# KiCad board vootington gaming.kicad_pcb (continued)
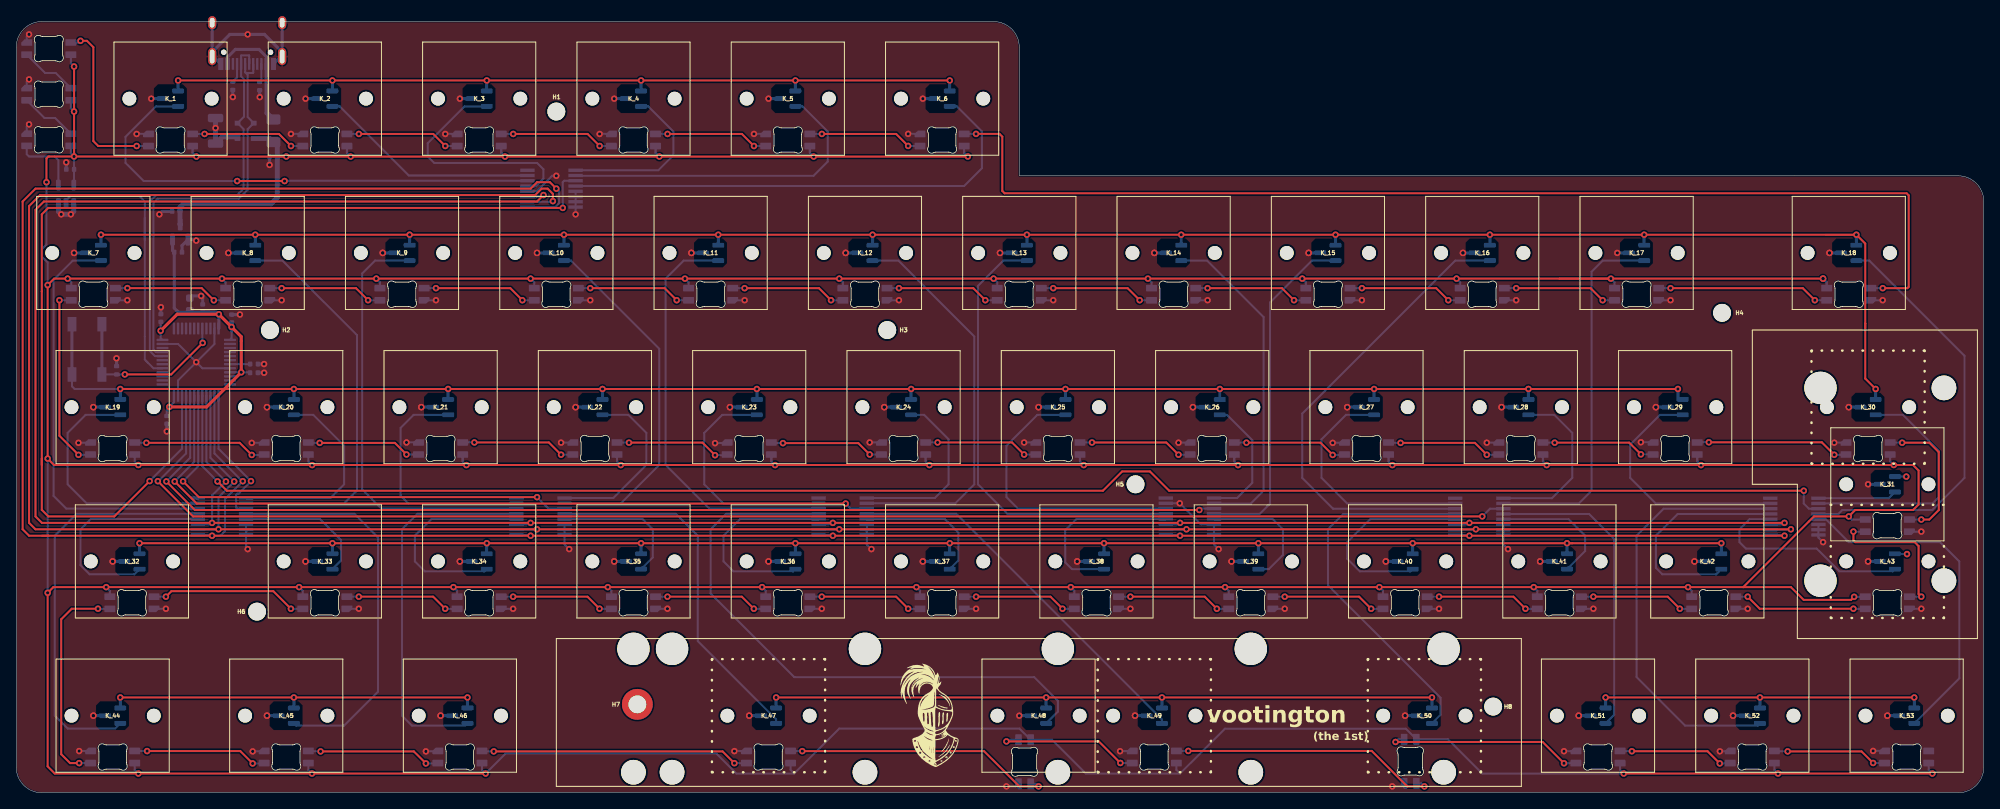
[diagram p0: board, top side]
## Routing (per net, layer and track width the routed paths; a pad name or vN(x,y) marks a point on that pad's centre or on a via; arc(x,y) is an arc through that point) (continued)
Net-(D40-DIN): length 16.5
  Top w0.25: v1(50.57,3.63) 49.09,5.11 v1(37.57,5.11)
  Bottom w0.25: v1(50.57,3.63) 50.57,3.63 52.04,3.63 ; v1(37.57,5.11) 37.56,5.12 36.11,5.12
Net-(D41-DIN): length 16.6
  Top w0.25: v1(29.19,3.63) 27.66,5.16 v1(16.16,5.16)
  Bottom w0.25: v1(16.16,5.16) 16.14,5.17 14.69,5.17 ; v1(29.19,3.63) 29.19,3.62 30.66,3.62
Net-(D43-DIN): length 14.2
  Top w0.25: v1(91.07,79.88) 89.58,81.37 v1(80.4,81.37)
  Bottom w0.25: v1(80.4,81.37) 80.39,81.38 78.94,81.38 ; 92.54,79.88 v1(91.07,79.88)
Net-(D45-DIN): length 14.1
  Top w0.25: v1(229.22,3.68) 227.79,5.11 v1(218.68,5.11)
  Bottom w0.25: v1(218.68,5.11) 218.66,5.13 217.21,5.13 ; 230.69,3.68 v1(229.22,3.68)
Net-(D46-DIN): length 14.4
  Top w0.25: v1(210.29,3.63) 208.79,5.13 v1(199.45,5.13)
  Bottom w0.25: v1(210.29,3.63) 210.29,3.63 211.76,3.63 ; 197.98,5.14 199.43,5.14 v1(199.45,5.13)
Net-(D47-DIN): length 24.6
  Top w0.25: v1(170.27,6.28) 188.43,6.28 v1(191.06,3.65)
  Bottom w0.25: D48.2 170.61,6.61 v1(170.27,6.28) ; v1(191.06,3.65) 191.06,3.64 192.53,3.64
Net-(D48-DIN): length 33.6
  Top w0.25: v1(173.83,0.79) 171.71,0.79 167.33,5.17 v1(144.68,5.17)
  Bottom w0.25: v1(173.83,0.79) 173.46,1.16 D48.3 ; D49.2 v1(144.68,5.17)
Net-(D50-DIN): length 14.2
  Top w0.25: v1(72.02,79.88) 70.53,81.37 v1(61.35,81.37)
  Bottom w0.25: v1(61.35,81.37) 61.34,81.38 59.89,81.38 ; 73.49,79.88 v1(72.02,79.88)
Net-(D51-DIN): length 14.2
  Top w0.25: v1(42.3,81.37) 51.48,81.37 v1(52.97,79.88)
  Bottom w0.25: 54.44,79.88 v1(52.97,79.88) ; v1(42.3,81.37) 42.29,81.38 40.84,81.38
Net-(D52-DIN): length 14.2
  Top w0.25: v1(33.92,79.88) 32.43,81.37 v1(23.25,81.37)
  Bottom w0.25: 35.39,79.88 v1(33.92,79.88) ; v1(23.25,81.37) 23.24,81.38 21.79,81.38
Net-(D53-DIN): length 21.8
  Top w0.25: v1(7.94,92.87) 8.73,92.87 9.53,92.08 9.53,80.49 10.13,79.88 v1(14.87,79.88)
  Bottom w0.25: D56.2 7.73,92.66 v1(7.94,92.87) ; 16.34,79.88 v1(14.87,79.88)
Net-(D54-DOUT): length 7.2
  Bottom w0.25: D55.3 3.48,83.34 4.8,83.34 D54.2
Net-(D55-DOUT): length 7.2
  Bottom w0.25: D56.3 3.56,88.9 4.88,88.9 D55.2
Net-(J2-CC1): length 2.4
  Bottom w0.25: R3.2 27.26,88.35 J2.A5
Net-(J2-CC2): length 2.3
  Bottom w0.25: R4.2 30.26,88.01 J2.B5

## Copper pours and planes (outline as drawn; the poured copper is in the pictures)
+3V3 on Bottom: 250.45,102.61 -8.31,100.23 -4.34,-9.31 254.42,-6.93
+3V3 on Bottom: 18.2,66.28 19.85,66.28 19.84,69.26 18.19,69.26
GND on Top: 250.45,103.41 -8.31,101.02 -7.52,-9.31 251.24,-6.93

## Text on the board
B.Silkscreen: by Calvin0563 / for trashman's minivan
F.Silkscreen: (the 1st) | vootington
